# Altium PCB MINI_BLDC_DRV.PcbDoc (part 1 of 2) (continued)
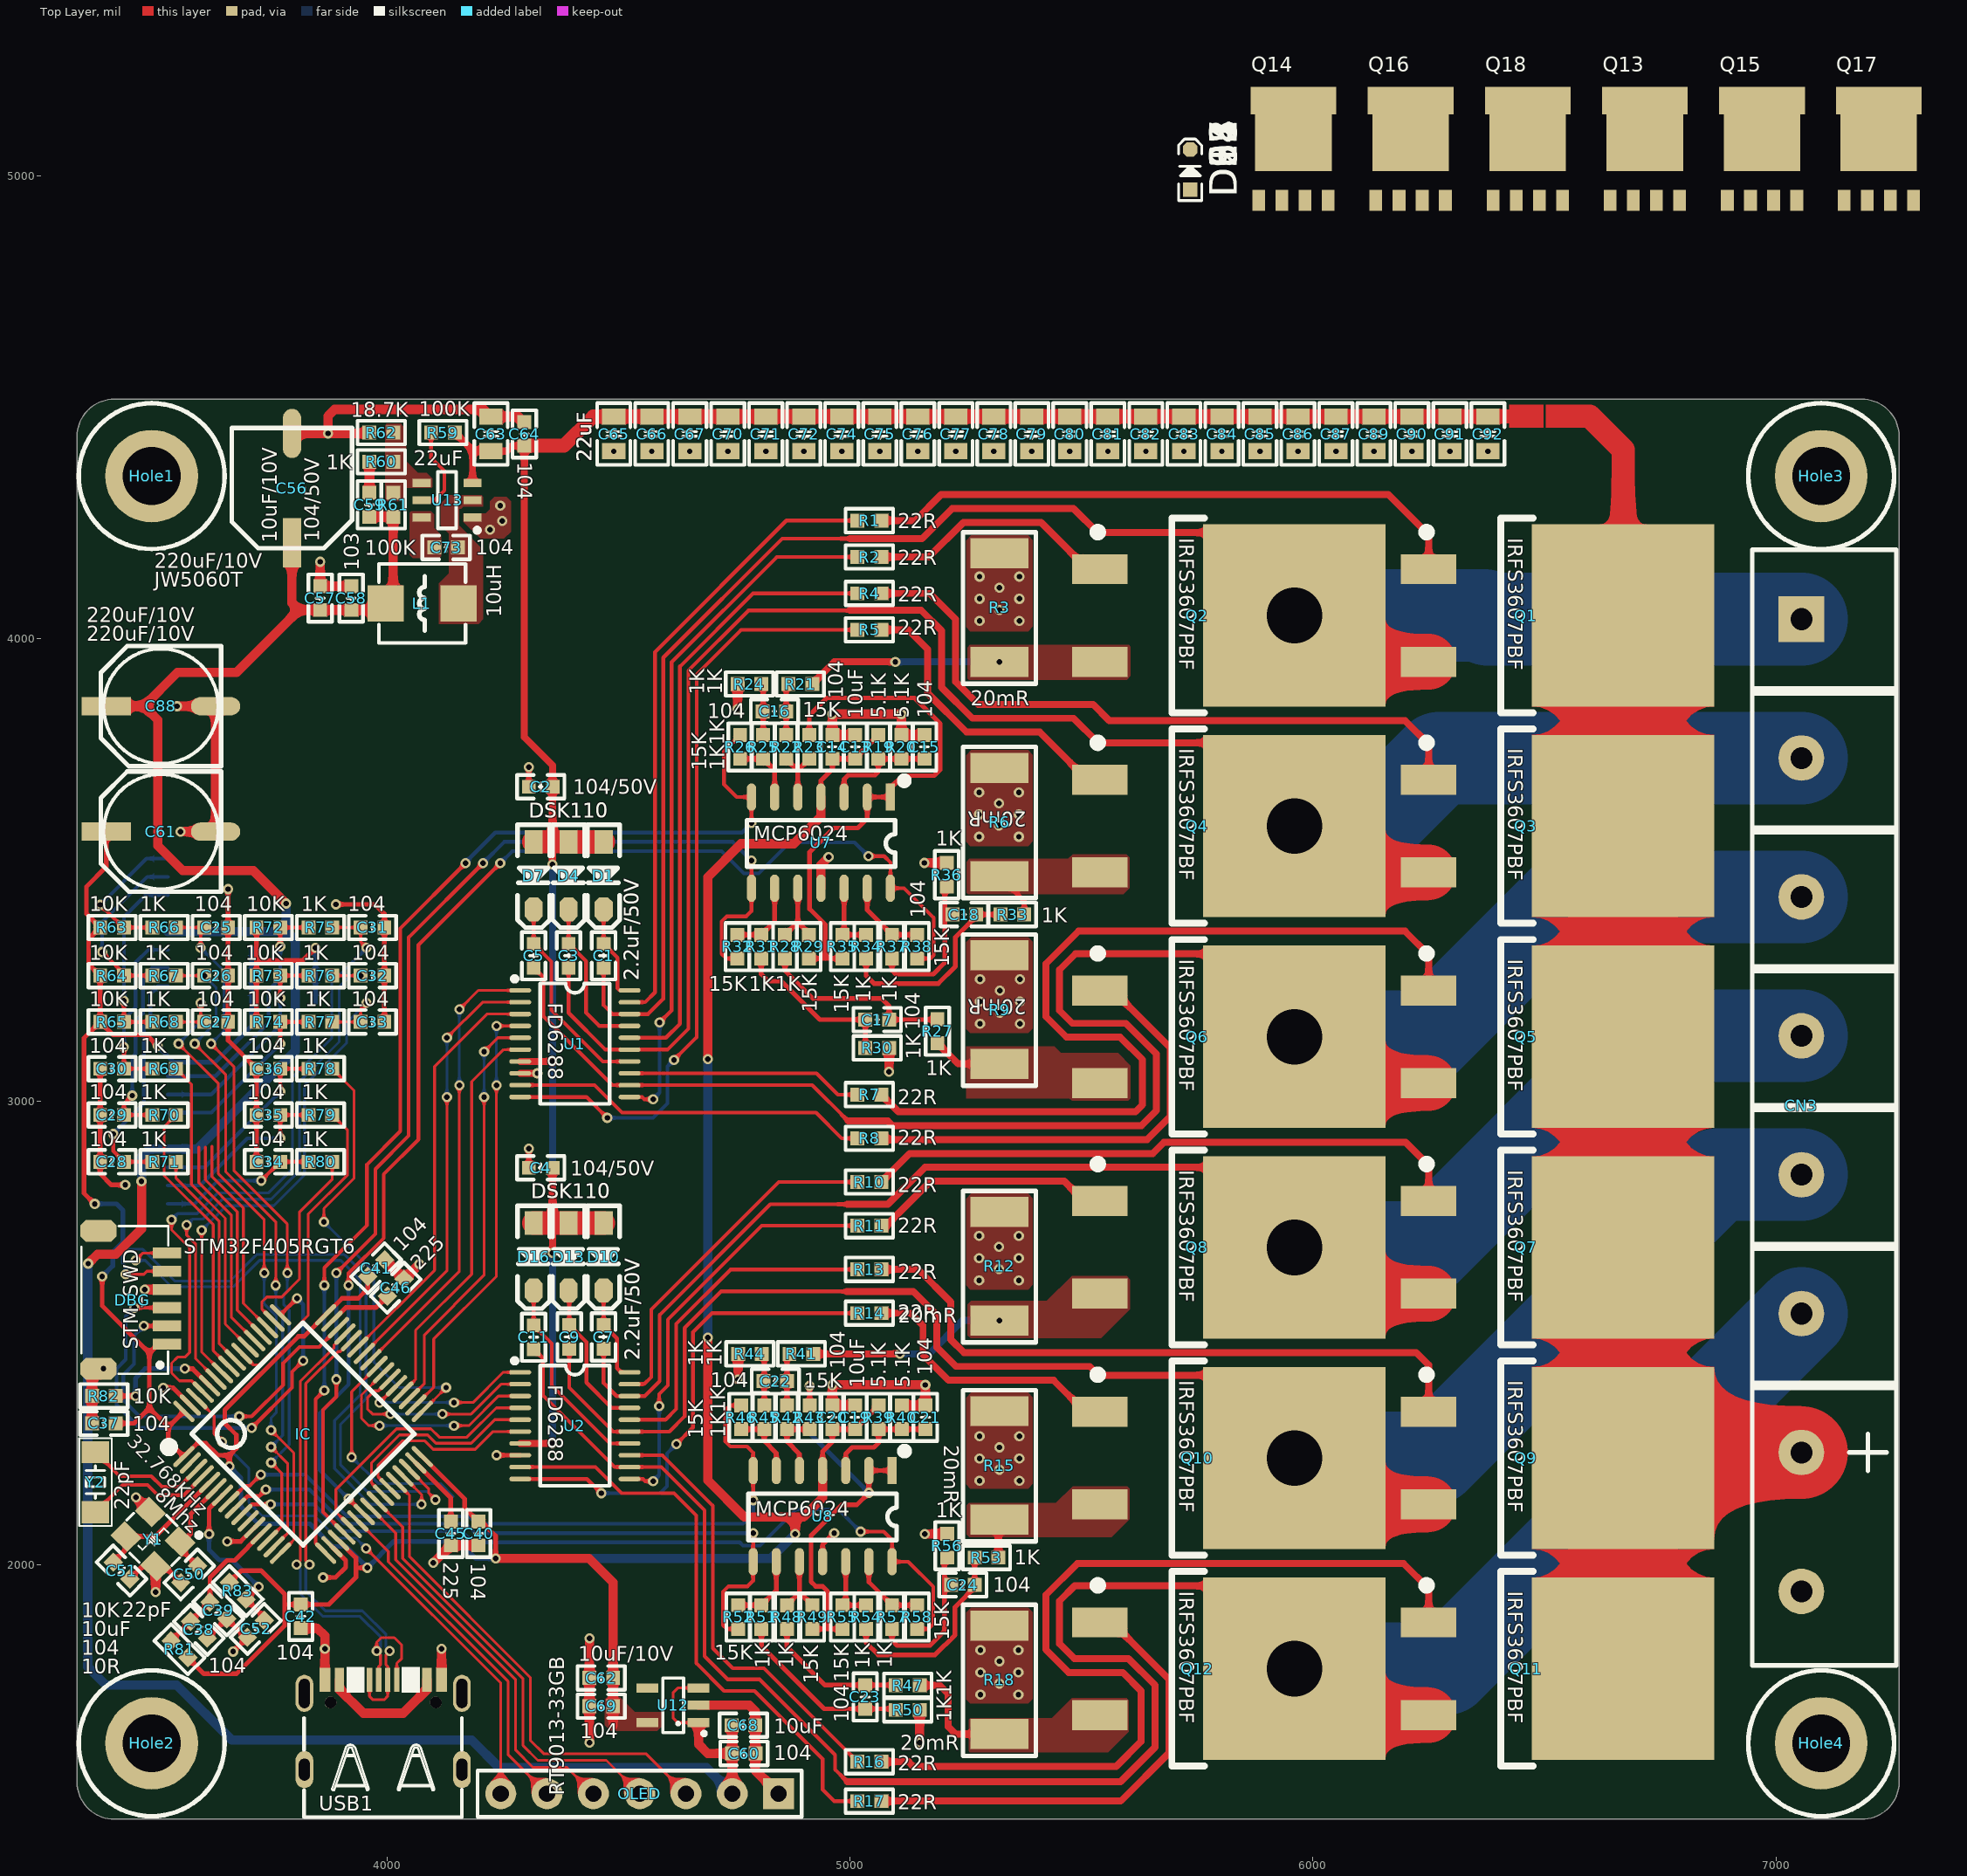
[diagram p0: Top Layer view]
## Components (designator, comment, footprint, x,y, rotation, side; value= is the part's Value field where it differs from the comment) (continued)
OLED "Header 7" HDR2.54-M-LI-7P 4546,1505 r180 top
Q1 "IRFS3607PBF" TO263_3B 6460,4050 r270 top
Q2 "IRFS3607PBF" TO263_3B 5750,4050 r270 top
Q3 "IRFS3607PBF" TO263_3B 6460,3595 r270 top
Q4 "IRFS3607PBF" TO263_3B 5750,3595 r270 top
Q5 "IRFS3607PBF" TO263_3B 6460,3140 r270 top
Q6 "IRFS3607PBF" TO263_3B 5750,3140 r270 top
Q7 "IRFS3607PBF" TO263_3B 6460,2685 r270 top
Q8 "IRFS3607PBF" TO263_3B 5750,2685 r270 top
Q9 "IRFS3607PBF" TO263_3B 6460,2230 r270 top
Q10 "IRFS3607PBF" TO263_3B 5750,2230 r270 top
Q11 "IRFS3607PBF" TO263_3B 6460,1775 r270 top
Q12 "IRFS3607PBF" TO263_3B 5750,1775 r270 top
Q13 "NTMFS5C628NLT" SO_8FL_DFN5 6717,5054 r0 top
Q14 "NTMFS5C628NLT" SO_8FL_DFN5 5958,5054 r0 top
Q15 "NTMFS5C628NLT" SO_8FL_DFN5 6970,5054 r0 top
Q16 "NTMFS5C628NLT" SO_8FL_DFN5 6211,5054 r0 top
Q17 "NTMFS5C628NLT" SO_8FL_DFN5 7222,5054 r0 top
Q18 "NTMFS5C628NLT" SO_8FL_DFN5 6464,5054 r0 top
R1 "22R" "R 0603_L" 5042,4255 r0 top
R2 "22R" "R 0603_L" 5042,4176.33 r0 top
R3 "20mR" "R 2512_L" 5323,4068 r270 top
R4 "22R" "R 0603_L" 5042,4097.67 r0 top
R5 "22R" "R 0603_L" 5042,4019 r0 top
R6 "20mR" "R 2512_L" 5323,3604.8 r270 top
R7 "22R" "R 0603_L" 5042,3015 r0 top
R8 "22R" "R 0603_L" 5042,2920.6 r0 top
R9 "20mR" "R 2512_L" 5323,3199.6 r270 top
R10 "22R" "R 0603_L" 5042,2826.2 r0 top
R11 "22R" "R 0603_L" 5042,2731.8 r0 top
R12 "20mR" "R 2512_L" 5323,2645.4 r270 top
R13 "22R" "R 0603_L" 5042,2637.4 r0 top
R14 "22R" "R 0603_L" 5042,2543 r0 top
R15 "20mR" "R 2512_L" 5323,2215.2 r270 top
R16 "22R" "R 0603_L" 5042,1574 r0 top
R17 "22R" "R 0603_L" 5042,1489 r0 top
R18 "20mR" "R 2512_L" 5323,1752 r270 top
R19 "5.1K" "R 0603_L" 5061.51,3765.99 r270 top
R20 "5.1K" "R 0603_L" 5111.25,3766 r90 top
R21 "1K" "R 0603_L" 4893,3902 r180 top
R22 "1K" "R 0603_L" 4862.51,3765.99 r270 top
R23 "15K" "R 0603_L" 4912.25,3766 r90 top
R24 "1K" "R 0603_L" 4783,3902 r0 top
R25 "1K" "R 0603_L" 4812.76,3765.99 r270 top
R26 "15K" "R 0603_L" 4763,3766 r90 top
R27 "1K" "R 0603_L" 5189,3152 r90 top
R28 "1K" "R 0603_L" 4859.85,3334.58 r90 top
R29 "15K" "R 0603_L" 4911.29,3334.57 r270 top
R30 "1K" "R 0603_L" 5059,3116 r180 top
R31 "1K" "R 0603_L" 4808.42,3334.58 r90 top
R32 "15K" "R 0603_L" 4757,3334.57 r270 top
R33 "1K" "R 0603_L" 5351,3404 r180 top
R34 "1K" "R 0603_L" 5035,3334.58 r90 top
R35 "15K" "R 0603_L" 4984,3334.57 r270 top
R36 "1K" "R 0603_L" 5209,3490 r270 top
R37 "1K" "R 0603_L" 5091,3334.58 r90 top
R38 "15K" "R 0603_L" 5145,3334.57 r270 top
R39 "5.1K" "R 0603_L" 5062,2317.99 r270 top
R40 "5.1K" "R 0603_L" 5112,2318 r90 top
R41 "1K" "R 0603_L" 4895,2455 r180 top
R42 "1K" "R 0603_L" 4864,2317.99 r270 top
R43 "15K" "R 0603_L" 4913,2318 r90 top
R44 "1K" "R 0603_L" 4784,2455 r0 top
R45 "1K" "R 0603_L" 4815.01,2317.99 r270 top
R46 "15K" "R 0603_L" 4765,2318 r90 top
R47 "1K" "R 0603_L" 5125,1739 r180 top
R48 "1K" "R 0603_L" 4864,1886.57 r90 top
R49 "15K" "R 0603_L" 4919,1886.57 r270 top
R50 "1K" "R 0603_L" 5125,1686 r180 top
R51 "1K" "R 0603_L" 4809,1886.57 r90 top
R52 "15K" "R 0603_L" 4759,1886.57 r270 top
R53 "1K" "R 0603_L" 5295,2015 r180 top
R54 "1K" "R 0603_L" 5035,1886.57 r90 top
R55 "15K" "R 0603_L" 4984,1886.57 r270 top
R56 "1K" "R 0603_L" 5210,2040.59 r270 top
R57 "1K" "R 0603_L" 5091,1886.57 r90 top
R58 "15K" "R 0603_L" 5145,1886.57 r270 top
R59 "100K" "R 0603_L" 4121,4445 r180 top
R60 "1K" "R 0603_L" 3988,4382 r180 top
R61 "100K" "R 0603_L" 4013.6,4289 r270 top
R62 "18.7K" "R 0603_L" 3988,4445 r180 top
R63 "10K" "R 0603_L" 3406.41,3376 r0 top
R64 "10K" "R 0603_L" 3406.41,3272 r0 top
R65 "10K" "R 0603_L" 3406.41,3172 r0 top
R66 "1K" "R 0603_L" 3518.93,3376 r0 top
R67 "1K" "R 0603_L" 3518.93,3272 r0 top
R68 "1K" "R 0603_L" 3518.93,3172 r0 top
R69 "1K" "R 0603_L" 3518.93,3071.01 r0 top
R70 "1K" "R 0603_L" 3518.93,2971.01 r0 top
R71 "1K" "R 0603_L" 3518.93,2870.01 r0 top
R72 "10K" "R 0603_L" 3743.97,3376 r0 top
R73 "10K" "R 0603_L" 3743.97,3272 r0 top
R74 "10K" "R 0603_L" 3743.96,3172 r0 top
R75 "1K" "R 0603_L" 3856.48,3376 r0 top
R76 "1K" "R 0603_L" 3856.48,3272 r0 top
R77 "1K" "R 0603_L" 3856.48,3172 r0 top
R78 "1K" "R 0603_L" 3856.48,3071.01 r0 top
R79 "1K" "R 0603_L" 3856.48,2971.01 r0 top
R80 "1K" "R 0603_L" 3856.48,2870.01 r0 top
R81 "10R" "R 0603_L" 3552,1817 r135 top
R82 "10K" "R 0603_L" 3388.81,2364 r180 top
R83 "10K" "R 0603_L" 3678,1943 r135 top
U1 "FD6288" TSSOP20_L 4406,3125 r0 top
U2 "FD6288" TSSOP20_L 4406,2300 r0 top
U7 "MCP6024" SOP14_L 4937.5,3559.27 r270 top
U8 "MCP6024" SOP14_L 4941,2104.57 r270 top
U12 "RT9013-33GB" SOT23-5N 4618,1696 r90 top
U13 "JW5060T" SOT23-6L 4130,4299 r90 top
USB1 "USB TypeC" "USB Type-C" 3992,1654 r0 top
Y1 "8Mhz" XTAL-3225 3495,2055 r135 top
Y2 "32.768KHz" "OSC 3215-2P" 3370.6,2178 r270 top

## Footprints (in the part's own frame and the unit in brackets; to place one, negate y for a bottom-side part, rotate by r counter-clockwise, add the part's x,y. Pads: shape width x height; smd on the part's side, far side on the other; paste and mask are expansions set on the pad)
"C 0603_L" [mil] "无极性贴片电容"
  rect 30x30 smd: 1(-25.59,0) 2(25.59,0)
  silkscreen extent -51,-26 51,26, body extent -31,-16 31,16, height 32
"C 0805_L" [mil] "无极性贴片电容"
  rect 35x50 smd: 1(-37.4,0) 2(37.4,0)
  silkscreen extent -67,-36 67,36, body extent -39,-24 39,24, height 20
"CM D(6.3*5.4)" [mm] "贴片电解电容，直径6.3mm，高5.4mm"
  rect 2.7x1 smd: 1(3,0)
  oval 2.7x1 smd: 2(-3,0)
  silkscreen extent -3.3,-3.3 3.3,3.3, body extent -3.5,-3.3 3.5,3.3, height 5.4
HDR2.54-M-LI-7P [mm] "排母，7脚"
  rect 1.7x1.7 hole 0.9: 1(-7.62,0)
  round 1.7 hole 0.9: 2(-5.08,0) 3(-2.54,0) 4(0,0) 5(2.54,0) 6(5.08,0) 7(7.62,0)
  silkscreen extent -8.89,-1.27 8.89,1.27, body extent -8.89,-1.27 8.89,1.27, height 8.5
KF7620-8P [mm] "61*12*12mm(长宽高)"
  rect 2.5x2.5 hole 1.2: 1(-26.67,-3.65)
  round 2.5 hole 1.2: 2(-19.05,-3.65) 3(-11.43,-3.65) 4(-3.81,-3.65) 5(3.81,-3.65) 6(11.43,-3.65) 7(19.05,-3.65) 8(26.67,-3.65)
  silkscreen extent -30.48,-6.35 30.73,1.56, body extent -30.48,-6.2 31.18,6.2, height 12.45
L-SMD-0420 [mm]
  rect 2x2 smd: 1(-2,0) 2(2,0)
  silkscreen extent -2.39,-2.16 2.36,2.17, body extent -2.26,-2.06 2.24,2.04, height 1.91
"LQFP64 10X10_L" [mm]
  oval 0.25x1.55 smd: 1(-3.75,-5.5) 2(-3.25,-5.5) 3(-2.75,-5.5) 4(-2.25,-5.5) 5(-1.75,-5.5) 6(-1.25,-5.5) 7(-0.75,-5.5) 8(-0.25,-5.5) 9(0.25,-5.5) 10(0.75,-5.5) 11(1.25,-5.5) 12(1.75,-5.5) 13(2.25,-5.5) 14(2.75,-5.5) 15(3.25,-5.5) 16(3.75,-5.5) 33(3.75,5.5) 34(3.25,5.5) 35(2.75,5.5) 36(2.25,5.5) 37(1.75,5.5) 38(1.25,5.5) 39(0.75,5.5) 40(0.25,5.5) 41(-0.25,5.5) 42(-0.75,5.5) 43(-1.25,5.5) 44(-1.75,5.5) 45(-2.25,5.5) 46(-2.75,5.5) 47(-3.25,5.5) 48(-3.75,5.5)
  oval 1.55x0.25 smd: 17(5.5,-3.75) 18(5.5,-3.25) 19(5.5,-2.75) 20(5.5,-2.25) 21(5.5,-1.75) 22(5.5,-1.25) 23(5.5,-0.75) 24(5.5,-0.25) 25(5.5,0.25) 26(5.5,0.75) 27(5.5,1.25) 28(5.5,1.75) 29(5.5,2.25) 30(5.5,2.75) 31(5.5,3.25) 32(5.5,3.75) 49(-5.499,3.75) 50(-5.499,3.25) 51(-5.499,2.75) 52(-5.499,2.25) 53(-5.499,1.75) 54(-5.499,1.25) 55(-5.499,0.75) 56(-5.499,0.25) 57(-5.499,-0.25) 58(-5.499,-0.75) 59(-5.499,-1.25) 60(-5.499,-1.75) 61(-5.499,-2.25) 62(-5.499,-2.75) 63(-5.499,-3.25) 64(-5.499,-3.75)
  silkscreen extent -4.95,-5.96 4.32,4.32, body extent -6,-6 6,6, height 1.45
M3x4_L [mil] "M3铜柱，长：4mm"
  round 200 hole 125: 1(0,0)
  silkscreen extent -157,-157 157,157, body extent -106,-93 106,93, height 159
"OSC 3215-2P" [mm] "3.2*1.5*0.6mm(长宽高)"
  rect 1.2x1.5 smd: 1(-1.65,0) 2(1.65,0)
  silkscreen extent -2.41,-0.89 2.41,0.89, body extent -1.6,-0.75 1.6,0.75, height 0.61
"R 0603_L" [mil] "1/10W贴片电阻"
  rect 30x30 smd: 1(-25.59,0) 2(25.59,0)
  silkscreen extent -51,-26 51,26, body extent -31,-16 32,16, height 16
"R 2512_L" [mm] "1W贴片电阻"
  rect 1.65x3.2 smd: 1(-2.95,0) 2(3,0)
  silkscreen extent -4.1,-2 4.2,2, body extent -3.2,-1.6 3.2,1.6, height 0.55
"SH1.0 S-W-8P" [mm] "SH1.0MM间距卧贴连接座子"
  rect 1.2x1.8 smd: 0(-4.8,-1.925) 0(4.8,-1.925)
  rect 0.6x1.55 smd: 1(3.5,1.925) 2(2.5,1.925) 3(1.5,1.925) 4(0.5,1.925) 5(-0.5,1.925) 6(-1.5,1.925) 7(-2.5,1.925) 8(-3.5,1.925)
  silkscreen extent -5,-2.67 5,2.21, body extent -5,-2.67 5,2.28, height 2.92
SH1.0_6P [mm]
  rect 0.6x1.55 smd: 1(-2.432,-1.88) 2(-1.432,-1.88) 3(-0.432,-1.88) 4(0.568,-1.88) 5(1.568,-1.88) 6(2.568,-1.88)
  oct 1.2x2 smd: A(-3.778,1.88) B(3.778,1.88)
  silkscreen extent -4.06,-1.96 4.05,2.82, body extent -3.93,-2.51 4.07,2.44, height 2.9
SO_8FL_DFN5 [mm]
  rect 4.2x2.2 smd paste-10 mask+0.075: D(0,-0.012) D(0,1.338)
  rect 4.7x1.5 smd paste-10 mask+0.075: D(0,2.738)
  rect 0.7x1.15 smd paste-0.05 mask+0.075: G(1.905,-2.737) S(-1.905,-2.737) S(-0.635,-2.737) S(0.635,-2.737)
  body extent -2.57,-2.96 2.58,3.19, height 1.13
SOD-123F [mm] "2.7x1.6X1.1mm（长宽高，不包括引脚）"
  rect 1.3x1 smd: 1(-1.85,0)
  oct 1.3x1 smd: 2(1.85,0)
  silkscreen extent -2.79,-0.89 2.84,0.89, body extent -1.9,-0.8 1.9,0.8, height 1.15
SOD-323#1 [mm] "1.8x1.3X0.9mm（长宽高，不包括引脚）"
  rect 0.8x0.8 smd: 1(-1.1,0)
  oct 0.8x0.8 smd: 2(1.1,0)
  silkscreen extent -1.7,-0.64 1.68,0.64, body extent -1.34,-0.66 1.31,0.64, height 1
SOD-323#2 [mm] "1.8x1.3X0.9mm（长宽高，不包括引脚）"
  rect 1x0.8 smd: 1(-1.4,0)
  oct 1x0.8 smd: 2(1.4,0)
  silkscreen extent -2.11,-0.76 2.11,0.76, body extent -1.34,-0.63 1.31,0.67, height 1
SOP14_L [mm] "8.7*6.2*1.8mm（长宽高）"
  rect 1.5x0.5 smd: 1(-2.5,3.81)
  oval 1.5x0.5 smd: 2(-2.5,2.54) 3(-2.5,1.27) 4(-2.5,0) 5(-2.5,-1.27) 6(-2.5,-2.54) 7(-2.5,-3.81) 8(2.5,-3.81) 9(2.5,-2.54) 10(2.5,-1.27) 11(2.5,0) 12(2.5,1.27) 13(2.5,2.54) 14(2.5,3.81)
  silkscreen extent -3.55,-4.06 1.31,4.73, body extent -3,-4.35 3,4.35, height 1.9
SOT23-5N [mm] "3x1.6x1.1mm(长宽高)"
  rect 0.5x1.2 smd: 1(-0.95,-1.4) 2(0,-1.4) 3(0.95,-1.4) 4(0.95,1.4) 5(-0.95,1.4)
  silkscreen extent -1.63,-1.78 1.5,0.56, body extent -1.5,-1.4 1.5,1.4, height 1.15
SOT23-6L [mm] "3x1.6x1.1mm(长宽高)"
  rect 0.45x1 smd: 1(-0.95,-1.397) 2(0,-1.397) 3(0.95,-1.397) 4(0.95,1.397) 5(0,1.397) 6(-0.95,1.397)
  silkscreen extent -1.77,-1.78 1.55,0.51, body extent -1.5,-1.4 1.5,1.4, height 1.15
TO263_3B [mil]
  rect 65x120 smd: 1(-100,-210) 3(100,-210)
  rect 393.7x393.7 smd: 2(0,210)
  silkscreen extent -210,-222 210,15, body extent -197,-216 197,372, height 177
TSSOP20_L [mm] "6.5*6.4*1（长宽高）"
  oval 1.2x0.25 smd: 1(-3,2.925) 2(-3,2.275) 3(-3,1.625) 4(-3,0.975) 5(-3,0.325) 6(-3,-0.325) 7(-3,-0.975) 8(-3,-1.625) 9(-3,-2.275) 10(-3,-2.925) 11(3,-2.925) 12(3,-2.275) 13(3,-1.625) 14(3,-0.975) 15(3,-0.325) 16(3,0.325) 17(3,0.975) 18(3,1.625) 19(3,2.275) 20(3,2.925)
  silkscreen extent -3.43,-3.3 1.91,3.69, body extent -3.2,-3.25 3.2,3.25, height 1.03
"USB Type-C" [mm] "USB Type-C 12P/16P"
  rect 0.6x1.3 smd mask+0.064: 1(-3.2,2.462) 12(3.2,2.462)
  rect 0.508x1.3 smd mask+0.064: 2(-2.4,2.462) 11(2.4,2.462)
  rect 0.3x1.3 smd mask+0.064: 5(-0.75,2.462) 6(-0.25,2.463) 7(0.25,2.463) 8(0.75,2.462)
  oval 0.965x2.032 hole 0.6 slot 1.6 at 90 deg: SH1(-4.32,1.718) SH3(4.32,1.717)
  oval 0.965x2.032 hole 0.6 slot 1.2 at 90 deg: SH2(-4.32,-2.462) SH4(4.32,-2.462)
  round 0.65 hole 0.65 unplated mask+0: ""(-2.89,1.218) ""(2.89,1.218)
  silkscreen extent -4.34,-5.07 4.32,3.17, body extent -4.47,-5.04 4.47,2.86, height 3.2
XTAL-3225 [mm]
  rect 1.3x1.1 smd: 1(-1.15,-0.95) 2(1.15,-0.95) 3(1.15,0.95) 4(-1.15,0.95)
  silkscreen extent -1.75,-2.06 1.75,1.45, body extent -1.6,-1.24 1.6,1.26, height 0.8

## Part data
C1 C2 C3 C4 C5 C7 C9 C11 C25 C26 C27 C28 C29 C30 C31 C32 C33 C34 C35 C36 C57 C58 C59 C60 C62 C63 C64 C65 C66 C67 C68 C69 C70 C71 C72 C73 C74 C75 C76 C77 C78 C79 C80 C81 C82 C83 C84 C85 C86 C87 C89 C90 C91 C92: library part C, "无极性贴片电容"
C13 C14 C15 C16 C17 C18 C19 C20 C21 C22 C23 C24 C38 C39 C40 C41 C42 C45 C46 C52: library part C
C37 C50 C51: library part CAP
C56 C61 C88: library part C-CM, "贴片电解电容"
CN1 CN2 CN3: library part "Header 8", "8P接插件"
D1 D4 D7 D10 D13 D16: "通用二极管 100V-1A"
D2 D3 D5 D6 D8 D9 D11 D12 D14 D15 D17 D18: library part FR107, "通用二极管 700V-1A"
D19 D20 D21 D22 D23 D24: library part RS1M, "通用二极管 1000V-1A"
DBG: library part HEAD6
Hole1 Hole2 Hole3 Hole4: library part M3, "铜柱孔"
IC: "Flaah:256/RAM:48/IO:51"
L1: library part L-CDRH, "功率屏蔽电感"
OLED: "Header, 7-Pin"
Q1 Q2 Q3 Q4 Q5 Q6 Q7 Q8 Q9 Q10 Q11 Q12: "NMOS 75V+80A 7.4mΩ"
Q13 Q14 Q15 Q16 Q17 Q18: "MOSFET N-CH 60V SO8FL"
R1 R2 R3 R4 R5 R6 R7 R8 R9 R10 R11 R12 R13 R14 R15 R16 R17 R18 R59 R60 R61 R62 R63 R64 R65 R66 R67 R68 R69 R70 R71 R72 R73 R74 R75 R76 R77 R78 R79 R80: library part R, "贴片电阻"
R19 R20 R21 R22 R23 R24 R25 R26 R27 R28 R29 R30 R31 R32 R33 R34 R35 R36 R37 R38 R39 R40 R41 R42 R43 R44 R45 R46 R47 R48 R49 R50 R51 R52 R53 R54 R55 R56 R57 R58 R81 R82 R83: library part R
U12: library part "LDO RT9193", "LDO"
U13: library part "DC JW5060T_6", "DC降压芯片"
USB1: library part "USB Type-C", "TypeC座12P"
Y1: library part XTAL_3225, "3225贴片无源晶振"
Y2: library part XTAL, "普通晶振"

## Via types
v1: diameter 22, hole 12, Top Layer to Bottom Layer, 229 vias
v2: diameter 180, hole 120, Top Layer to Bottom Layer, 6 vias

## Nets (pads, with @x,y where several pads share a name; then routed paths per layer and width w, separated by ;. In a path a pad name is that pad's centre, name@x,y a point inside that pad or via, vN(x,y) a via of type N, cw(c..) or ccw(c..) an arc to the next point about the centre after c; other vN are vias at no path point)
BOOT0: IC.60 R82.1 | length 264.7
  Top Layer w10: R82.1@3414.4,2364 v1(3457,2364) ; v1(3564,2423) 3580.56,2423 IC.60@3617.18,2386.38
  Bottom Layer w10: v1(3457,2364) 3457,2402 3478,2423 v1(3564,2423)
CURRENT_U1: Q2.3 R3.2 R21.1 | length 424.2
  Top Layer w15: R21.1@4918.59,3902 4966.48,3949.89 v1(5098.11,3949.89)
  Bottom Layer w15: v1(5098.11,3949.89) v1(5323,3949.89)
CURRENT_U2: Q8.3 R12.2 R41.1 | length 432.3
  Top Layer w15: R41.1@4920.59,2455 v1(5108,2455)
  Bottom Layer w15: v1(5108,2455) 5171,2455 5243.29,2527.29 v1(5323,2527.29)
CURRENT_V1: Q4.3 R6.2 R33.1 | length 104.9
  Top Layer w10: R6.2@5323,3486.69 5376.59,3433.1 R33.1@5376.59,3404
CURRENT_V2: Q10.3 R15.2 R53.1 | length 83.1
  Top Layer w15: R53.1@5320.59,2015 5320.59,2094.68 R15.2@5323,2097.09
CURRENT_W1: Q6.3 R9.2 R27.1 | length 152.6
  Top Layer w15: R27.1@5189,3126.41 5233.92,3081.49 R9.2@5323,3081.49
CURRENT_W2: Q12.3 R18.2 R47.1 | length 257.5
  Top Layer w15: R47.1@5150.59,1739 5194,1739 5212,1721 5212,1650 5228.11,1633.89 R18.2@5323,1633.89
DGND: C2.1 C4.1 C13.1 C14.1 C15.2 C19.1 C20.1 C21.2 C25.2 C26.2 C27.2 C28.2 C29.2 C30.2 C31.2 C32.2 C33.2 C34.2 C35.2 C36.2 C37.1 C38.1 C39.1 C40.1 C41.1 C42.1 C45.1 C46.1 C50.1 C51.1 C52.1 C56.2 C57.2 C58.2 C60.2 C61.2 C62.2 C63.2 C64.2 C68.2 C69.2 C88.2 CN1.4 CN2.4 CN3.8 DBG.4 Hole1.1 Hole2.1 Hole3.1 Hole4.1 IC.12 IC.18 IC.63 OLED.1 Q14.S Q16.S Q18.S R3.1 R6.1 R9.1 R12.1 R15.1 R18.1 R20.2 R24.1 R30.1 R36.1 R40.2 R44.1 R50.1 R56.1 R62.2 R82.2 U1.8 U2.8 U7.11 U8.11 U12.2 U13.1 USB1.1 USB1.12 Y1.2 Y1.4 | length 5651.3
  Top Layer w10: C30.2@3380.82,3071.01 C28.2@3380.82,2870.01 3380.82,2844.18 3405,2820 v1(3435,2820) ; C51.1@3445.1,1968.9 3472.73,1996.54 Y1.4@3500.57,1996.54 3519.27,1996.54 C50.1@3554.9,1960.9 ; v1(3517,2382) 3538.04,2382 IC.63@3575.43,2344.62 ; C38.1@3612.1,1840.9 C39.1@3654.1,1882.9 3694.1,1842.9 C52.1@3698.9,1842.9 v1(3668,1812) ; v1(3655,2050) 3684.45,2050 IC.12@3714.62,2080.17 ; v1(3657.03,3458.97) C25.2@3657.03,3376 C26.2@3657.03,3272 C27.2@3657.03,3172 3657.03,3132.34 C36.2@3718.37,3071.01 C34.2@3718.37,2870.01 ; v1(3862,1972) 3889,1972 3911,1994 3911,2009.04 IC.18@3881.63,2038.41 ; v1(3890,3426) 3974,3426 3994.59,3405.41 C31.2@3994.59,3376 C32.2@3994.59,3272 C33.2@3994.59,3172 ; v1(4237,2236.02) U2.8@4287.89,2236.02 ; C4.1@4306.59,2857 v1(4306.59,2898.59) ; C2.1@4306.59,3680 v1(4306.59,3722.59) ; U8.11@4941,2006.15 4941,2043 v1(4966,2068)
  Top Layer w15: U1.8@4287.89,3061.02 v1(4325,3061.02)
  Top Layer w20: C37.1@3363.22,2305 R82.2@3363.22,2364 3363.22,2409.22 v1@3377,2423 ; v1(3457.89,2145) Y1.2@3489.43,2113.46 ; v1(3477,2594.11) DBG.4@3525,2594.11 ; v1(3500.57,1940.43) Y1.4@3500.57,1996.54 ; v1(3547,3854) C88.2@3630.11,3854 C61.2@3630.11,3583 v1(3554,3583) ; C56.2@3795,4443.22 v1(3872.78,4443.22) ; C42.1@3814,1862.41 3849.59,1862.41 3866.02,1845.98 v1(3866.02,1818.02) USB1.1@3866.02,1750.95 ; v1(3856,4166) C57.2@3856,4113 C58.2@3923,4113 ; R62.2@3960.63,4443.22 v1(3872.78,4443.22) ; C41.1@3995.1,2658.1 C46.1@4037.1,2616.1 v1(4070,2649) ; v1(4100,2003.4) C45.1@4138,2041.41 C40.1@4198,2041.41 ; USB1.12@4117.98,1750.95 v1(4117.98,1818.02) ; C64.2@4297,4467.59 4285.19,4479.4 C63.2@4225,4479.4 4209.4,4495 3887,4495 3872.78,4480.78 v1(3872.78,4443.22) ; v1(4437.41,1615.41) C69.2@4437.41,1694 C62.2@4437.41,1755 v1(4437.41,1840.59) ; U12.2@4673.12,1696 4783,1696 4795.59,1683.41 C68.2@4795.59,1653 4795.59,1555.41 OLED.1@4846,1505 ; v1(4757.41,3847.59) R24.1@4757.41,3902 ; v1(4758.41,2399.41) R44.1@4758.41,2455 ; U7.11@4937.5,3460.85 4937.5,3511.5 v1(4954,3528) ; C19.1@5011,2343.59 C20.1@4962,2343.59 v1(4962,2388) v1(5163,2388) C21.2@5163,2343.59 R40.2@5112,2343.59 ; C13.1@5011.75,3791.59 C14.1@4962,3791.59 v1(4962,3837) v1(5111.25,3837) R20.2@5111.25,3791.59 C15.2@5161,3791.59 ; v1(5084.59,3064.59) R30.1@5084.59,3116 ; v1(5150.59,1615.41) R50.1@5150.59,1686 ; v1(5161,3515.59) R36.1@5209,3515.59 ; v1(5162,2066.18) R56.1@5210,2066.18
  Bottom Layer w10: v1(4306.59,2898.59) v1@4307,2899 ; v1(4962,2388) v1@4963,2389
  Bottom Layer w20: v1@5111,3837 v1@5111.25,3836.75
  other v1: 5282,1719 5364,1719 5323,1743 5282,1767 5364,1767 5323,1791 5282,1815 5364,1815 5280,2181 5366,2181 5323,2205 5280,2229 5366,2229 5323,2253 5280,2277 5366,2277 3388,2423 5279,2614 5365,2614 5322,2638 5279,2662 5365,2662 5322,2686 5279,2710 5365,2710 5281,3168 5367,3168 5324,3192 5281,3216 5367,3216 5324,3240 5281,3264 5367,3264 5279,3572 5365,3572 5322,3596 5279,3620 5365,3620 5322,3644 5279,3668 5365,3668 5280,4038 5366,4038 5323,4062 5280,4086 5366,4086 5323,4110 5280,4134 5366,4134 4223,4235 4249,4254 4245,4287 4490,4404.6 4572.09,4404.6 4654.18,4404.6 4736.26,4404.6 4818.35,4404.6 4900.44,4404.6 4982.52,4404.6 5064.61,4404.6 5146.7,4404.6 5228.79,4404.6 5310.87,4404.6 5392.96,4404.6 5475.05,4404.6 5557.13,4404.6 5639.22,4404.6 5721.31,4404.6 5803.39,4404.6 5885.48,4404.6 5967.57,4404.6 6049.65,4404.6 6131.74,4404.6 6213.83,4404.6 6295.92,4404.6 6378,4404.6
ENCA1: IC.56 R71.2 | length 481.1
  Top Layer w6: R71.2@3544.52,2870.01 3544.52,2834.48 3638,2741 3638,2476.91 IC.56@3672.86,2442.05
ENCA2: IC.50 R80.2 | length 437.1
  Top Layer w6: IC.50@3756.38,2525.57 3730,2551.95 3730,2567 3741,2578 3773,2578 3811,2616 3811,2761 3882.07,2832.07 R80.2@3882.07,2870.01
ENCB1: IC.57 R70.2 | length 611.4
  Top Layer w6: R70.2@3544.52,2971.01 3519,2945.49 3519,2840 3625,2734 3625,2462.08 IC.57@3658.94,2428.13
ENCB2: IC.55 R79.2 | length 679.7
  Top Layer w6: IC.55@3686.78,2455.97 3711.75,2431 3723,2431 3830,2538 3830,2757 3915,2842 3915,2938.08 R79.2@3882.07,2971.01
ENCZ1: IC.54 R69.2 | length 665.8
  Top Layer w6: R69.2@3544.52,3071.01 3578,3037.52 3578,2821 3651,2748 3651,2519.59 IC.54@3700.7,2469.89
ENCZ2: IC.33 R78.2 | length 976.6
  Top Layer w6: v1(3864,2740) 3864,2769 3929,2834 3929,3024.08 R78.2@3882.07,3071.01 ; IC.33@4076.5,2330.7 v1(4128,2382.2)
  Bottom Layer w6: v1(3864,2740) 3972,2632 3972,2437 4026.8,2382.2 v1(4128,2382.2)
HALLU1: C27.1 D21.1 IC.16 R68.2 | length 1438.1
  Top Layer w6: R68.2@3544.52,3172 C27.1@3605.85,3172 3597.88,3179.97 v1(3597.88,3213) ; v1(3550,3125) 3636,3039 3636,2844 3735,2745 v1(3735,2630) ; v1(3750,2290) 3799,2241 3799,2053.2 IC.16@3770.3,2024.49
  Bottom Layer w6: v1(3550,3125) 3597.88,3172.88 v1(3597.88,3213) ; v1(3735,2630) 3735,2563 3761,2537 3761,2328 3750,2317 v1(3750,2290)
HALLU2: C33.1 D24.1 IC.58 R77.2 | length 1132.6
  Top Layer w6: v1(3600,2722) 3600,2459.24 IC.58@3645.02,2414.21 ; R77.2@3882.07,3172 C33.1@3943.41,3172 3943.41,3200.29 v1(3956.12,3213)
  Bottom Layer w6: v1(3600,2722) 3653,2775 3755.56,2775 3822,2841.44 3822,3035.26 3913,3126.26 3913,3169.88 v1(3956.12,3213)
HALLV1: C26.1 D20.1 IC.15 R67.2 | length 1440.6
  Top Layer w6: R67.2@3544.52,3272 v1(3605.85,3272) ; v1(3585,3125) 3652,3058 3652,2848 3760,2740 v1(3760,2603) ; v1(3750,2254) 3786,2218 3786,2068.03 IC.15@3756.38,2038.41
  Bottom Layer w6: v1(3585,3125) 3631,3171 3631,3246.85 v1(3605.85,3272) ; v1(3750,2254) 3775,2279 3775,2544 3760,2559 v1(3760,2603)
HALLV2: C32.1 D23.1 IC.59 R76.2 | length 1202.6
  Top Layer w6: v1(3567.5,2733.5) 3567.5,2711.5 3587,2692 3587,2444.4 IC.59@3631.1,2400.29 ; R76.2@3882.07,3272 v1(3943.41,3272)
  Bottom Layer w6: v1(3567.5,2733.5) 3580,2746 3602,2746 3645,2789 3750,2789 3811,2850 3811,3043 3897,3129 3897,3248 3921,3272 v1(3943.41,3272)
HALLW1: C25.1 D19.1 IC.14 R66.2 | length 1535.6
  Top Layer w6: R66.2@3544.52,3376 C25.1@3605.85,3376 3597.88,3368.02 v1(3597.88,3332) ; v1(3620,3125) 3670,3075 3670,2850 3785,2735 v1(3785,2630) ; IC.14@3742.46,2052.33 3773,2082.87 3773,2197 v1(3750,2220)
  Bottom Layer w6: v1(3597.88,3332) 3648,3281.88 3648,3153 v1(3620,3125) ; v1(3750,2220) 3789,2259 3789,2550 3777,2562 3777,2583 3785,2591 v1(3785,2630)
HALLW2: C31.1 D22.1 IC.61 R75.2 | length 1419.2
  Top Layer w6: v1(3535,2745) 3535,2723 3574,2684 3574,2458 3564,2448 3548,2448 3535,2435 3535,2414 3552,2397 3578.72,2397 IC.61@3603.26,2372.46 ; R75.2@3882.07,3376 C31.1@3943.41,3376 3943.41,3344.71 v1(3956.12,3332)
  Bottom Layer w6: v1(3535,2745) 3548,2758 3590,2758 3635,2803 3745,2803 3796,2854 3796,3052 3881,3137 3881,3256.88 v1(3956.12,3332)
HO11: D2.2 R1.1 U1.19 | length 1353.8
  Top Layer w8: U1.19@4524.11,3214.57 4557.57,3214.57 4579,3236 4579,3971 4863,4255 R1.1@5016.41,4255
HO12: D11.2 R10.1 U2.19 | length 758.7
  Top Layer w8: U2.19@4524.11,2389.57 4555.57,2389.57 4571,2405 4571,2551 4846.2,2826.2 R10.1@5016.41,2826.2
HO21: D5.2 R4.1 U1.16 | length 1342.1
  Top Layer w8: U1.16@4524.11,3137.8 4602.8,3137.8 4633,3168 4633,3940 4790.66,4097.66 R4.1@5016.41,4097.66
HO22: D14.2 R13.1 U2.16 | length 734.5
  Top Layer w8: U2.16@4524.11,2312.8 4601.8,2312.8 4625,2336 4625,2520 4742.4,2637.4 R13.1@5016.41,2637.4
HO31: D8.2 R7.1 U1.13 | length 511.4
  Top Layer w8: U1.13@4524.11,3061.02 4927.98,3061.02 4974,3015 R7.1@5016.41,3015
HO32: D17.2 R16.1 U2.13 | length 946.9
  Top Layer w8: U2.13@4524.11,2236.02 4594.98,2236.02 4704,2127 4704,1819 4747,1776 4814.4,1776 R16.1@5016.41,1574
INA+1: C15.1 R19.2 R20.1 U7.3 | length 246.8
  Top Layer w10: U7.3@4987.5,3657.7 4987.5,3696.5 4996,3705 5054,3705 5061.5,3712.5 R19.2@5061.5,3740.41 R20.1@5111.25,3740.41 C15.1@5161,3740.41
INA+2: C21.1 R39.2 R40.1 U8.3 | length 247.4
  Top Layer w10: U8.3@4991,2203 4991,2239 5005,2253 5052,2253 5062,2263 R39.2@5062,2292.41 R40.1@5112,2292.41 C21.1@5163,2292.41
INA-1: R23.2 R29.2 R35.2 U7.1 U7.2 | length 1174.6
  Top Layer w10: R29.2@4911.28,3308.99 4947,3308.99 ; R23.2@4912.25,3791.59 4912.25,3834.25 4950,3872 5139.26,3872 5195,3816.26 5195,3717 5182,3704 5114,3704 5087.5,3677.5 U7.1@5087.5,3657.7 U7.2@5037.5,3657.7 5037.5,3611.5 5017,3591 4965,3591 4913,3539 4913,3416 4947,3382 4947,3308.99 ; R35.2@4984,3308.99 4947,3308.99
INA-2: R43.2 R49.2 R55.2 U8.1 U8.2 | length 878.2
  Top Layer w10: R43.2@4913,2343.59 v1(4913,2386) ; R49.2@4919,1860.99 4952,1860.99 ; R55.2@4984,1860.99 4952,1860.99 ; U8.1@5091,2203 U8.2@5041,2203 v1(5041,2155) 5015,2129 4982,2129 4916,2063 4916,1963 4926,1953 4941,1953 4952,1942 4952,1860.99
  Bottom Layer w10: v1(4913,2386) 4913,2283 v1(5041,2155)
INB+1: R22.2 R23.1 U7.5 | length 128.3
  Top Layer w10: R22.2@4862.5,3740.41 4887.5,3715.41 ; U7.5@4887.5,3657.7 4887.5,3715.41 ; R23.1@4912.25,3740.41 4887.5,3715.65 4887.5,3715.41
INB+2: R42.2 R43.1 U8.5 | length 149.6
  Top Layer w10: U8.5@4891,2203 4891,2239 4864,2266 R42.2@4864,2292.41 R43.1@4913,2292.41
INB-1: R25.2 R26.1 U7.6 | length 142.7
  Top Layer w10: R26.1@4763,3740.41 R25.2@4812.75,3740.41 4837.5,3715.66 U7.6@4837.5,3657.7
INB-2: R45.2 R46.1 U8.6 | length 150.2
  Top Layer w10: R46.1@4765,2292.41 R45.2@4815,2292.41 4815,2267 4841,2241 U8.6@4841,2203
INC+1: R28.2 R29.1 U7.10 | length 149.6
  Top Layer w10: R28.2@4859.85,3360.17 4887.5,3387.81 ; U7.10@4887.5,3460.85 4887.5,3387.81 ; R29.1@4911.28,3360.17 4911.28,3364.03 4887.5,3387.81
INC+2: R48.2 R49.1 U8.10 | length 144.3
  Top Layer w10: R48.2@4864,1912.16 4891,1939.16 ; U8.10@4891,2006.15 4891,1939.16 ; R49.1@4919,1912.17 4892.01,1939.16 4891,1939.16
INC-1: R31.2 R32.1 U7.9 | length 164.2
  Top Layer w10: R32.1@4757,3360.17 R31.2@4808.43,3360.17 4837.5,3389.24 U7.9@4837.5,3460.85
INC-2: R51.2 R52.1 U8.9 | length 157.2
  Top Layer w10: R52.1@4759,1912.17 R51.2@4809,1912.16 4841,1944.16 U8.9@4841,2006.15
IND+1: R34.2 R35.1 U7.12 | length 153.1
  Top Layer w10: U7.12@4987.5,3460.85 4987.5,3363.67 R35.1@4984,3360.17 R34.2@5035,3360.17
IND+2: R54.2 R55.1 U8.12 | length 147.9
  Top Layer w10: U8.12@4991,2006.15 4991,1919.17 R55.1@4984,1912.17 R54.2@5035,1912.16
IND-1: R37.2 R38.1 U7.13 | length 169.8
  Top Layer w10: U7.13@5037.5,3460.85 5037.5,3413.67 R37.2@5091,3360.17 R38.1@5138,3360.17
IND-2: R57.2 R58.1 U8.13 | length 168.7
  Top Layer w10: U8.13@5041,2006.15 5041,1962.17 R57.2@5091,1912.16 R58.1@5145,1912.17
LO11: D3.2 R2.1 U1.11 | length 1509
  Top Layer w8: U1.11@4524.11,3009.84 4551.16,3009.84 4556,3005 v1(4575,3005) ; v1(4589,3171) 4615,3197 4615,3949 4842.33,4176.33 R2.1@5016.41,4176.33
  Bottom Layer w8: v1(4575,3005) 4589,3019 v1(4589,3171)